# Altium PCB SP7.PcbDoc (part 4 of 4) (continued)
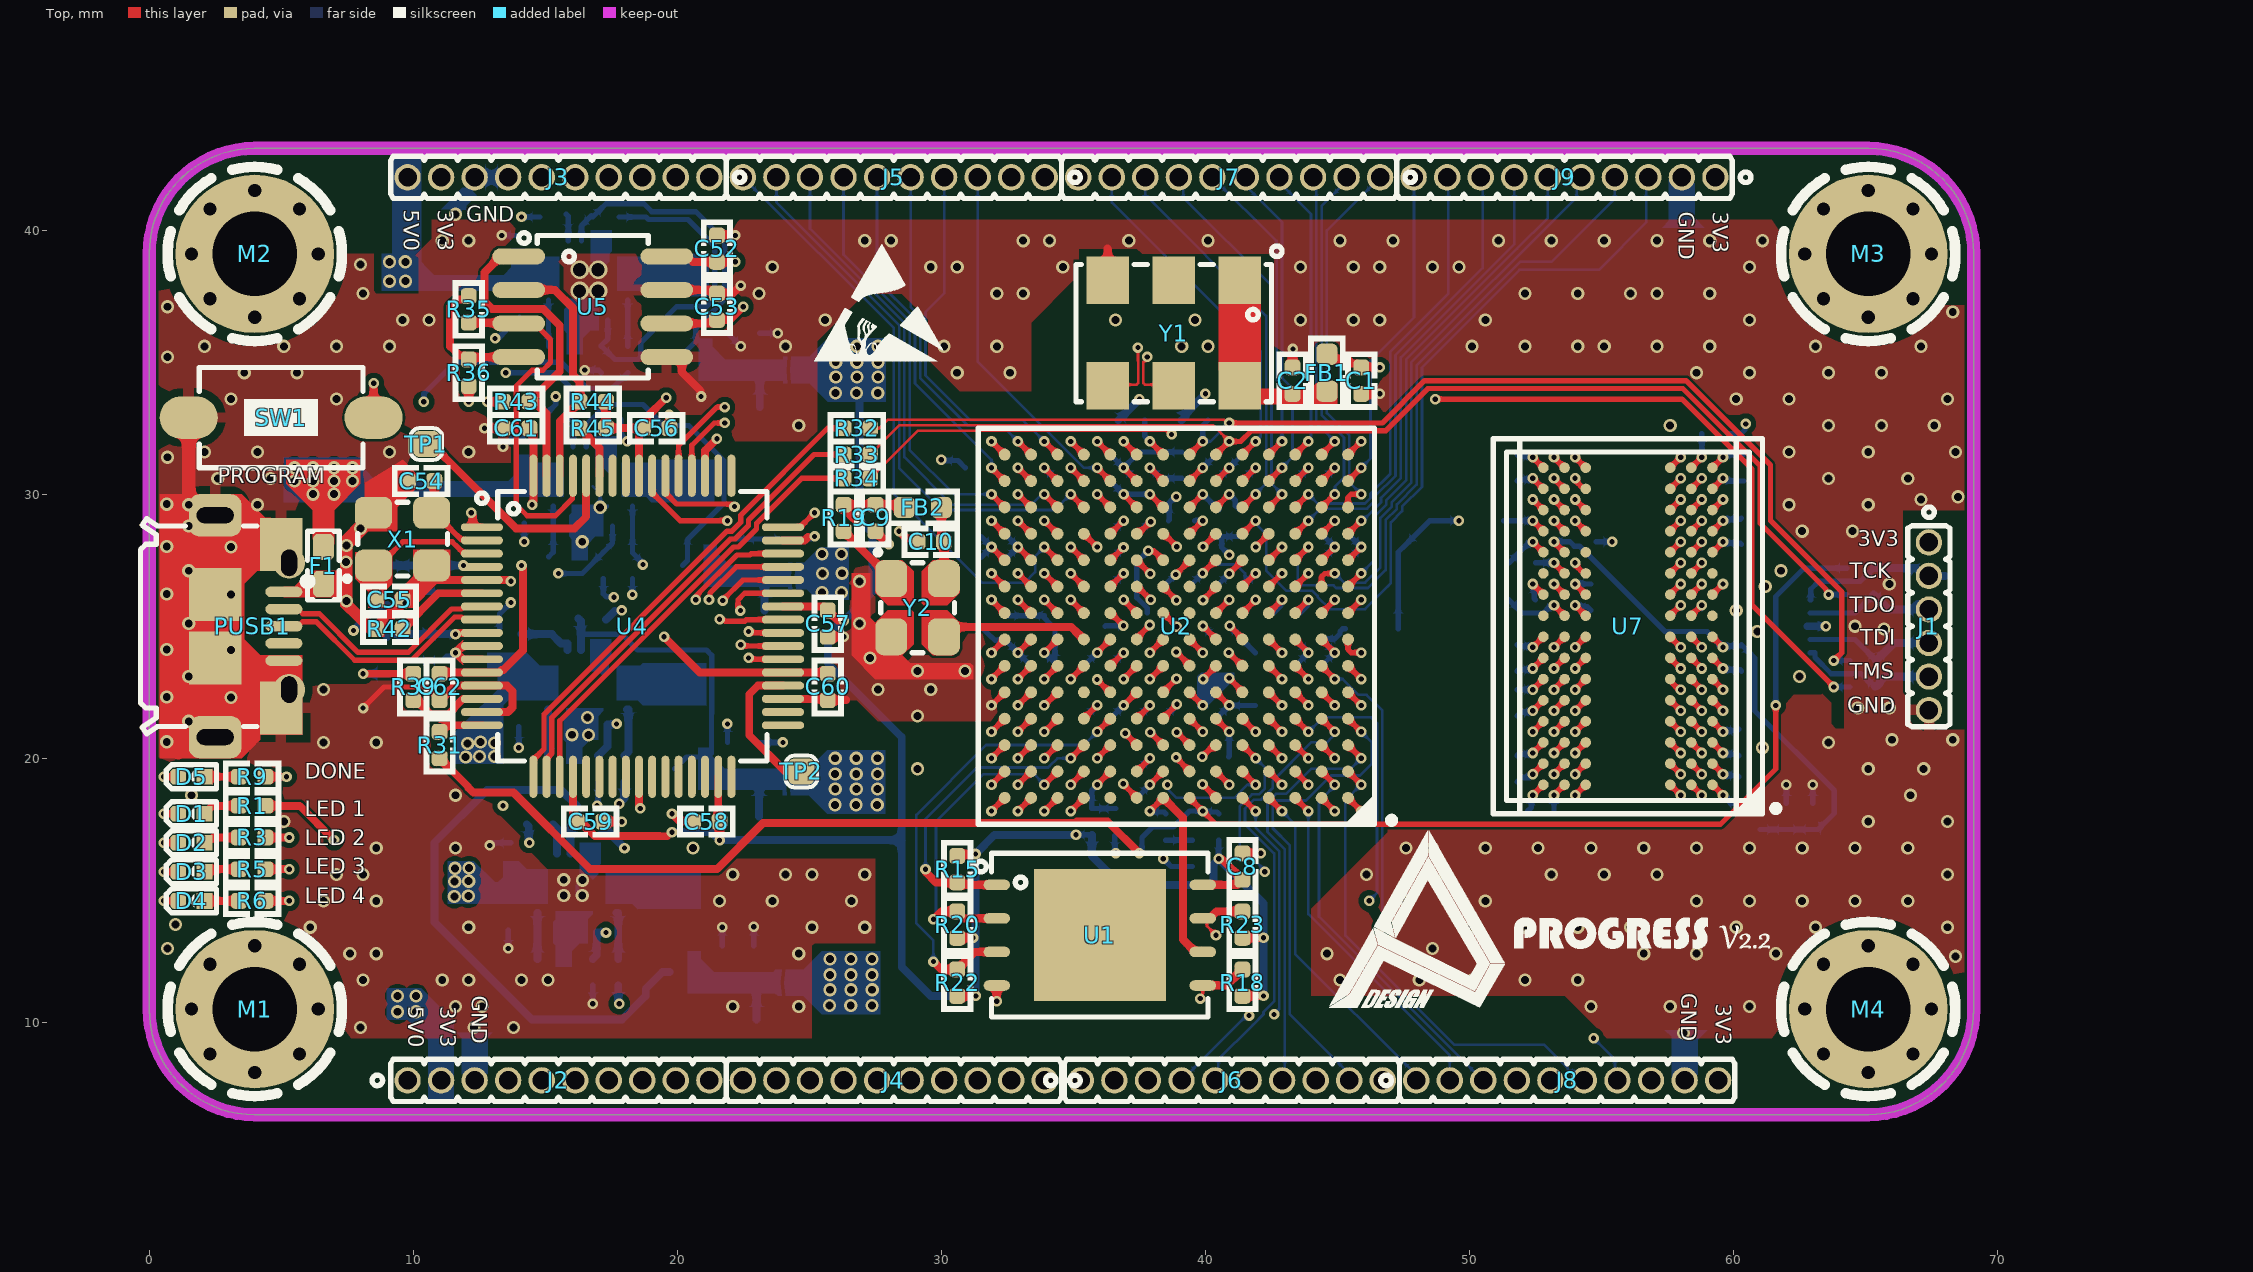
[diagram p0: Top view]
## Polygon pours and split planes (outlines as drawn) (continued)

## Keep-outs
Keep-Out Layer:
  lines w0.5: 0,39 0,10.5 ccw(c4,10.5) 4,6.5 65.1,6.5 ccw(c65.1,10.5) 69.1,10.5 69.1,39 ; 0,39.1 cw(c4,39.1) 4,43.1 65.1,43.1 cw(c65.1,39.1) 69.1,39.1

## Other copper
Top:
  pour cut-out: 67.709,21.08 68.88,21.08 69,21.2 68.9,21.3 68.9,22.9 68.4,22.9 68.2,22.7
  pour cut-out: 68.016,37.151 68.02,37.155 69.275,37.155 69.275,38.025 69.1,38.2 68.1,38.2
  region net GND: 8.15,30.41 8.156,30.405 8.156,29.735 8.825,29.735 8.83,29.73
  region net GND: 8.15,30.41 8.83,29.73 9.9,30.8 10.1,30.8 9.595,31.305
  pour cut-out: 31.82,21.4 26.2,21.4 26.1,21.3 27.1,20.3 27.1,19.7 34.2,19.7 34.4,19.5
  pour cut-out: 25.7,22.2 26.8,22.2 29.8,19.2 29.4,18.8 29.4,18.3 24.7,18.3 22.4,20.6 22.4,20.8
  pour cut-out: 29.5,35.25 29.5,35.1 30.9,33.7 30.7,33.5 28.9,33.5
  pour cut-out: 29.5,33.9 29.5,36.6 28.5,37.6 27.1,37.6 25.3,35.8 25.3,32.3 25,32 22.062,32 21.648,31.585 22.383,30.85 27.15,30.85 29.4,33.1
  pour cut-out: 37.4,39.3 37.6,39.1 42.4,39.1 42.6,38.9 42.5,38.8 42.5,38.6 37.5,38.6 37.3,38.4
  pour cut-out: 22,16.2 27.7,16.2 27.8,16.3 27.8,17.9 23.3,17.9 23.2,18
  pour cut-out: 27.7,19.2 29.8,19.2 31.5,17.5 27.9,17.5
  pour cut-out: 64.2,23.3 64.2,21.12 63.88,21.12 63.7,21.3 63.7,22.1 63.1,22.7
  pour cut-out: 35.1,38.2 33.4,36.5 33.4,33.3 35.8,33.3 35.9,33.2
  pour cut-out: 35.6,33.9 27.654,33.9 27.554,33.8 25.8,33.8 25.7,33.7 25.7,32.5 35.4,32.5 36.4,31.5
  pour cut-out: 19,39.1 15.8,39.1 15.5,38.8 15.707,38.593 15.707,37.393 13.407,37.393 13,37.8 13.306,38.106 13.306,39.226 14.18,40.1 14.1,40.18 14.1,40.7 21.5,40.7 21.6,40.6 21.5,40.5 21.5,38.8
  pour cut-out: 10.7,40.5 10.7,39.673 10.081,39.055 10.2,38.936 10.2,37.6 8.6,37.6 8.5,37.7 8.5,39.1 7.4,39.1 7.031,39.469 7.031,40.85
  pour cut-out: 13.32,17.8 14.061,17.06 14.061,16.573 14.306,16.573 15.08,15.8 16.701,15.8 16.701,16.499 14.65,18.55 13.95,18.55
  pour cut-out: 6.17,22.829 6.199,22.8 8.02,22.8 8.02,23.52 8.1,23.6 7.7,24 7.7,24.2 6.368,24.2 6,23.832 6,23.4
  pour cut-out: 6.068,23.9 6.076,23.909 7.586,23.909 7.586,23.914 6.325,25.175 6.15,25 5.371,25 5.371,24.621 5.1,24.35
  pour cut-out: 21.4,33 20.235,33 19.303,33.931 16.574,33.931 16.574,32.374 16.5,32.3 18.1,30.7 20.3,30.7 20.9,31.3
  pour cut-out: 14.3,31.4 14.1,31.2 11.2,31.2 13.4,29 13.583,29.183 15.383,29.183
  pour cut-out: 12.925,23.25 13.4,22.775 13.4,19.9 15.092,19.9 15.55,20.358 16.108,19.8 22.2,19.8 22.2,20 23.2,21 22.724,21.476 22.724,22.424 19.276,22.424 18.4,23.3 19,23.9 19,29 17.4,29 16.5,29.9 15.3,28.7 13.3,28.7
  pour cut-out: 13.076,20.064 14.502,20.064 14.6,19.965 14.6,18.9 14.1,18.4 13.8,18.7 12.276,18.7 12.276,18.724 11.7,19.3
  pour cut-out: 16.55,29.55 18.3,27.8 18.3,26.2 19.3,25.2 20.5,26.4 20.6,26.4 20.6,27.5 22.1,29 20.4,30.7 17.55,30.7
  pour cut-out: 21.452,31.585 25.095,31.585 25.181,31.5 24.9,31.219 24.9,30 23.681,30 22.7,29.019 21.9,29.819 21.9,30.1
  pour cut-out: 27.9,13 25.2,13 25.1,12.9 25.1,9
  pour cut-out: 43.999,14.101 43.999,14.299 43.9,14.2
  pour cut-out: 46.9,17.5 46.9,17.2 43.9,14.2 44,14.1 44,11 53.6,11 55.3,9.3 54.8,8.8 41.3,8.8 41.3,17.4 40.6,18.1
  pour cut-out: 17.1,22.8 19,22.8 20,21.8 23.2,21.8 23.2,23.1 21.2,25.1 18.81,25.1 18.63,24.92
  pour cut-out: 22.724,20.876 22.724,20.824 21.5,19.6 21.6,19.5 21.6,16.9 22.5,16.9 23.2,17.6 25.7,17.6 26.3,18.2 26.3,19.1 24.8,19.1 23.712,20.188 23.412,20.188
  pour cut-out: 27.3,30 30.475,26.825 30.475,24.975 32.125,24.975 32.2,24.9 32.9,25.6 32.9,32.4 28.064,32.4 27.807,32.657
  pour cut-out: 44.5,32.6 45,32.1 45,17.5 59.5,17.5 61.6,19.6 61.6,22 62,22.4 63.3,22.4 64.2,23.3 64.2,26.2 61.4,29 61.4,31.1 60.976,31.1 58.076,34 48.2,34 46.6,32.4 44.8,32.4
  pour cut-out: 27.5,8.9 27.5,17.5 31.2,17.5 31.4,17.7 32.3,16.8 32.3,9
  pour cut-out: 30.7,17.4 30.7,9.1 42.2,9.1 42.4,8.9 42.4,11.1 41.5,12 41.5,14.1 37,18.6
  pour cut-out: 65.4,40.4 3.9,40.4 4.6,41.1 4.6,46.1 63.6,46.1 65.5,44.2
  pour cut-out: 5.9,9.4 64.2,9.4 65.4,8.2 65.4,3.1 2.8,3.1 1.2,4.7
  pour cut-out: 69.1,29.4 66.405,29.4 66.405,22.5 69.1,22.5
  region net VOSC2: 42,34 44,34 44.2,34.2 45,34.2 45,33.4 42,33.4
  region net VOSC2: 40.5,37.2 40.5,34.7 42.1,34.7 42.1,37.4
  region net GND: 27.5,25.125 27.3,25.325 27.3,27 26.6,27 26.6,23.9 27.5,23 31.2,23 31.2,23.5 31.1,23.6 28.825,23.6 28.525,23.9
  region net GND: 11.9,26.9 11.4,26.9 11.4,27.9 10,27.9 10,26.9 9.3,26.2 9.3,25.945 8.555,25.2 8.4,25.2 7.683,25.917 7.683,27.983 8.3,28.6 9.4,28.6 9.4,29.5 10.1,30.2 10.1,30.8 9.5,30.8 8.5,29.8 8,29.8 8,29.1 7.238,28.338 7.238,27.044 7.238,25.762 7.8,25.2 8.4,24.6 8.9,24.6 8.9,24.894 9.706,25.7 10,25.7 10.9,26.6 12.1,26.6
  region net VCC5V0: 7,28.1 7,29.4 8,30.4 8,31.3 5.2,31.3 5.2,30.4 6.2,29.4 6.2,28.3
  region net GND: 5.8,20.9 4.2,20.9 4.2,20.7 3.5,20 0.4,20 0.4,30 3.5,30 4.4,29.1 4.6,29.1 4.6,27.1 4.1,27.1 3.6,26.6 3.6,24.5 4.2,23.9 5.8,23.9
  region net NetC55_2: 9.2,26.6 8.9,26.3 8.9,25.7 8.3,25.7 8.3,26.3 7.8,26.8 7.8,27.8 9.2,27.8
  region net NetF1_1: 5.1,26.1 7.1,26.1 7.1,27.1 6.1,27.1 5.5,26.5 5.1,26.5
03_SIG:
  pour cut-out: 40.9,19 40.9,21 41.6,21 41.9,20.7 41.9,19.5
  pour cut-out: 35.9,21 34.9,22 34.9,23 33.575,21.675 34.5,20.75 34.5,19.3 35.2,19.3 35.3,19.4
  pour cut-out: 34.9,26 33,24.1 32.6,24.1 32.6,24.4 31.7,25.3
  pour cut-out: 42.2,28.8 40.4,28.8 40.4,29.5 40.6,29.7
  pour cut-out: 42.9,26 42.393,25.493 41.173,25.493 41.173,23.392 41.166,23.385 41.351,23.2 43.595,23.2 43.9,23.505
  pour cut-out: 62.15,22.15 64.05,22.15 64.1,22.1 64.3,22.3 64.3,24.3 63.72,24.3 63.01,25.01 63,25 62.5,25
  pour cut-out: 67.892,21.185 67.907,21.2 69.1,21.2 69.1,22.1 68.9,22.3 68.4,22.3
  pour cut-out: 56.83,17.275 46.425,17.275 46.3,17.4 46.3,18.2 55.609,18.2 55.725,18.316
  pour cut-out: 47.7,17.5 47.3,17.5 45.7,15.9 44.7,16.9 44.7,17.7 44.8,17.8 47.5,17.8
  pour cut-out: 17.073,13.061 17.1,13.034 17.1,10.1 18.3,10.1 18.7,10.5 18.4,10.8 18.4,13.1
  pour cut-out: 13.532,20.492 15.24,22.2 23.3,22.2 24.3,23.2 14.5,23.2 14.5,22.6 12.4,20.5
  pour cut-out: 6.959,38.868 8.3,40.209 8.3,40.3 6.3,40.3 6.2,40.2
  pour cut-out: 2.757,36.1 1.057,37.8 2.2,37.8 2.8,38.4
  pour cut-out: 7,11.573 7,12 5.5,13.5 5.5,14.677 5.477,14.7 5.277,14.5 4.8,14.5 4.8,12.3 5.3,11.8
  pour cut-out: 63.915,13.5 63.7,13.5 62.1,11.9 62.1,11.5 63.2,11.5 63.5,11.2
  pour cut-out: 68.015,17.85 69.05,17.85 69.1,17.9 69,18 69,18.5 68.4,18.5 68.3,18.6
  pour cut-out: 32.7,40.3 32.7,39.1 31.86,39.94 31.86,40.245
  pour cut-out: 36,36 37.565,36 37.672,35.893 37.807,35.893 38.8,34.9 38.9,35 45.1,35 45.1,34.4 45,34.5 35.4,34.5
  pour cut-out: 62,39.4 62,39.8 62.2,39.6 62.5,39.6
  pour cut-out: 63.857,36.1 66.4,36.1 67.391,37.091 67.6,37.3
  pour cut-out: 58.7,33.3 60.8,33.3 61.1,33 61.1,29.02 63.52,26.6 63.52,25.52 62.5,24.5
  pour cut-out: 13.2,32.7 14.6,31.3 15.5,32.2 15.5,33.2 13.6,33.2 12.9,33.9
  pour cut-out: 30.6,33.9 30.3,33.9 28,36.2 25.4,36.2 25.4,35.7 24.3,34.6 24.2,34.7 21.3,34.7 19.1,36.9 13.3,36.9 11,34.6 8.42,34.6 8.42,34.334 10.054,32.7 28.9,32.7
  pour cut-out: 61.1,29.5 61.1,28.1 62.8,26.4 62.8,22.7 62.7,22.7 61.6,21.6 61.4,21.8 60.6,21.8
  pour cut-out: 46.7,13.6 47.1,13.6 48.4,12.3 49.2,12.3 49.8,11.7 49.8,10.3 46,10.3 45.7,10.6 45.7,14.8
  pour cut-out: 45.7,13.3 48.2,10.8 53.516,10.8 54.316,10 54.116,9.8 45.4,9.8 44.2,11 44.3,11.1 44.3,13.2
  pour cut-out: 25.2,20.8 24.2,19.8 20.6,19.8 19.8,17.2 22.1,16.4 25.7,16.4
  pour cut-out: 18,16.6 21.6,13 21.6,11.8 18.9,11.8 17.3,13.4 17.5,13.6 17.5,16.1
  pour cut-out: 5.776,12.797 7,11.573 7,9.4 6.9,9.3 6.4,9.8 5.4,9.8
  pour cut-out: 1.935,36.923 2.757,36.1 5.243,36.1 6.959,37.816 6.959,39.941 6.9,40 6.6,39.7 2,39.7
  pour cut-out: 67.029,36.844 65.923,36.844 65.179,36.1 63.857,36.1 62,37.957 62,39.4 62.823,40.223
  pour cut-out: 67.197,12.645 67.743,12.1 68.9,12.1 68.9,11.1 69,11 67.3,11
  pour cut-out: 63.171,12.756 63.915,13.5 66.343,13.5 67.4,12.443 67.4,11.2 63.85,11.2 63.25,11.8
  pour cut-out: 63,12.4 60.3,9.7 59.4,9.7 58.5,8.8 58.8,8.5 61.7,8.5 61.7,9.4 63.5,11.2
  pour cut-out: 53.5,10.4 53.541,10.441 53.859,10.441 54.3,10 56.8,10 58.1,8.7 53.2,8.7
  pour cut-out: 45.4,13 47.4,11 47.4,9.9 45.2,9.9 45.1,9.8
  pour cut-out: 6.6,38.9 7.9,40.2 6.2,40.2
  pour cut-out: 60.863,40.737 62.3,39.3 62.3,38.9 62.8,38.9 63.6,39.7 63.6,40.6
  pour cut-out: 14.6,33.5 14.5,33.4 14.5,29.6 13.75,28.85 13.75,28.014 14.1,27.664 14.1,24.9 20.3,31.1 22.2,31.1 22.2,32.6 22.9,33.3
  pour cut-out: 24.5,23.4 24.2,23.4 23.3,22.5 14.2,22.5 14.2,22.7 15.7,24.2
  pour cut-out: 23.2,12.8 22.827,13.173 17.639,13.173 17.639,9.961 18.1,9.5 21.4,9.5
  pour cut-out: 31.15,21.03 30.92,20.8 25.2,20.8 25.2,16.4 26,15.6
  pour cut-out: 7.6,16.9 8,17.3 10,17.3 10,17.6 15.8,23.4 24.5,23.4 26.5,25.4 27.5,25.4 27.5,25 28.1,24.4 32.3,24.4 33.9,26 33.9,27.5 30.2,31.2 29.9,30.9 20.6,30.9 8.1,18.4
  pour cut-out: 8.5,34.2 8.5,33.5 9.1,32.9 9.2,33 21.8,33 21.8,33.95 21.75,34
  pour cut-out: 21.8,33.8 21.8,30.7 22.2,31.1 29.8,31.1 29.8,33.3 29.837,33.337 24.963,33.337 24.1,34.2 21.7,34.2
  pour cut-out: 5.2,19.3 4.7,19.3 2,16.6 2,14.7 1.3,14 0.1,14 0.1,8 3.2,4.9 10,4.9 10,6.3 11.7,8 11.6,8.1 11.6,9 7.7,9 5.1,11.6 5.3,11.8 5.3,14.6
  pour cut-out: 60.4,29.05 60.4,31.6 57,35 45.1,35 42.767,32.667
  pour cut-out: 46.4,32.8 46.4,33.1 44.8,34.7 35.4,34.7 35.4,34.3 39.329,30.371 48.071,30.371
  pour cut-out: 33.7,37.9 33.7,34.7 32.8,33.8 32.9,33.7 38,33.7
  pour cut-out: 21,40 4.1,40 1.8,37.7 -0.6,37.7 -0.6,44.3 -0.7,44.4 -0.3,44.8 19.5,44.8
  pour cut-out: 70.2,38.1 70,38.1 69.2,37.3 65,37.3 63.1,39.2 63.158,39.258 63.158,40.245 31.86,40.245 30.105,42 31.405,43.3 72.2,43.3
  pour cut-out: 69.568,29.4 66.2,29.4 66.2,22.3 69.069,22.3
  pour cut-out: 57.3,32.1 57.6,31.8 61.1,31.8 61.1,27.8 62.1,26.8 61.6,26.3 61.6,19 59.875,17.275 56.175,17.275
  pour cut-out: 69.6,11.7 62.9,11.7 60.3,9.1 54.6,9.1 54.6,7.3 57.8,4.1 68.6,4.1 71.2,6.7
  pour cut-out: 30.8,20.4 30.8,20.2 20.1,9.5 20.5,9.1 20.5,7.7 33.7,7.7 34.1,8.1 33.4,8.8 33.4,18.7
  pour cut-out: 43.4,24.1 42.9,23.6 42.9,20 41.6,20 41.247,20.353 41.247,22.931 41.9,23.584 41.9,23.9
  pour cut-out: 35.9,19 36.25,18.65 45.7,18.65 45.7,7.4 45,8.1 33.4,8.1 33.4,16.1 33.8,16.5
05_SIG:
  pour cut-out: 45.755,15.655 47.5,17.4 44.524,17.4
  pour cut-out: 67.892,21.185 67.907,21.2 69,21.2 69,22.7 68.9,22.8 68.65,22.55 68.15,22.55
  pour cut-out: 68.175,22.025 68.775,22.025 68.8,22 68.8,22.5 68.2,22.5 68.1,22.6
  pour cut-out: 69.306,29.4 66.1,29.4 66.1,22.5 69.737,22.5
  pour cut-out: 17.51,18 17.717,17.793 17.717,16.883 17.083,16.883 17,16.8 16.2,17.6 16.2,18.2 16.4,18.4
  pour cut-out: 36.6,40.3 36.6,39 35.7,39.9 35.1,39.9 35.1,40.4 35.3,40.6
  pour cut-out: 5.2,19.3 5.3,19.2 5.3,14.6 5.697,14.203 5.697,12.197 3.003,12.197 1.6,13.6 1.9,13.9 1.9,18.4 2.7,19.2
  pour cut-out: 59.181,31.655 59.181,32.719 57,34.9 41.4,34.9 45.7,30.6 57.5,30.6 58.4,29.7
  pour cut-out: 11,35 11,36.8 13.5,39.3 14.6,38.2 14.6,34.6
  pour cut-out: 8.957,40.657 6.88,38.58 6.88,37.737 5.243,36.1 2.757,36.1 1.257,37.6 0.2,37.6 0.2,38.1 0,38.3
  pour cut-out: 13.5,35.2 9.5,35.2 7.9,33.6 7.9,32.3 7.4,31.8 4.9,31.8 5.05,31.65 5.05,30.41 5.153,30.41 5.945,29.619 6.027,29.7 8.5,29.7 8.7,29.5 8.5,29.3 8.5,26.2 9.9,26.2 10.2,26.5
  pour cut-out: 69,37.6 67.843,37.6 66.343,36.1 63.857,36.1 62.22,37.737 62.22,38.732 62,38.951 62,40.5
  pour cut-out: 67.807,12.048 67.855,12 69.1,12 69.1,11 67.4,11
  pour cut-out: 68.1,11.4 68.1,11.743 66.343,13.5 63.857,13.5 62.22,11.863 62.22,10.82 61.2,9.8
  pour cut-out: 27.6,16.5 27.6,11.9 28.5,11.9 28.5,16.2
  pour cut-out: 14.865,8.9 16.265,10.3 19.8,10.3 20,10.1
  pour cut-out: 11.8,14.9 11.8,13.2 10.4,11.8 9.8,11.8 9.8,18.5 10.2,18.9 15.7,18.9 18,16.6 17.3,15.9 12.654,15.9 12.1,15.346
  pour cut-out: 38.2,35.2 42.2,35.2 43.4,34 45.6,34 46.7,32.9 46.7,32.2 40.1,32.2 39.2,31.3 37.446,33.054 37.446,34.149
  pour cut-out: 58,31.4 55.6,33.8 55.6,34.1 48.88,34.1 48.78,34 48.8,33.98 48.8,30.5 57.6,30.5 58.4,29.7
  pour cut-out: 19.8,18.5 19.8,17.2 20.1,16.9 21.6,16.9 22.3,16.2 28.8,16.2 28.8,18.7
  pour cut-out: 14.5,18.5 15,18 41.9,18 44.9,21 43.578,22.322 43.578,29.702 34.798,29.702 34.2,30.3 32.8,28.9 14.3,28.9 14.3,32.804 13.6,33.504 13.596,33.5 12.1,33.5 10.2,31.6 10.2,27.3 7.738,24.838 7.919,24.657 7.919,23.381 8.019,23.381 10.2,21.2 10.2,18.2
  pour cut-out: 3.7,38 -1,38 -1,41 -1.4,41.4
  pour cut-out: 17.7,21.3 22.121,21.3 25.822,25.001 23.518,27.305 19.631,27.305 17.8,25.474
  pour cut-out: 55.4,10 66.4,10 66.9,10.5 66.7,10.7 66.7,11.5 70.5,11.5 70.5,6.9 64.8,6.9 63.1,5.2 62.7,5.6 58.9,5.6
  pour cut-out: 15.9,9.1 6.9,9.1 6.9,7.1 7.1,6.9 17.4,6.9
  pour cut-out: 9.7,8.4 7.9,8.4 6.9,9.4 6.9,7.1 9.8,7.1 10.1,6.8
  pour cut-out: -0.4,14 4.2,14 7.5,10.7 7.5,8 9.2,8 9.4,7.8 9.4,5.4 0.6,5.4 -1,7 -2.2,7
  pour cut-out: 6.4,39.1 7.7,40.4 10.7,40.4 10.7,42.5 10.5,42.3 5.6,42.3 5.5,42.2
  pour cut-out: 13.3,40.7 13.3,27.4 13.516,27.184 18.316,27.184 22.1,23.4 22.2,23.5 24.2,23.5 24.2,23.595 26.605,26 32.9,26 32.9,28.6 36.7,32.4 33.915,35.185 33.915,42
  pour cut-out: 35.3,40.6 38.6,37.3 38.6,33.8 38.7,33.7 38.3,33.3 36.5,33.3 36.5,33.5 32.5,37.5 32.5,40.7
  pour cut-out: 32.9,23 32.9,19.5 33,19.4 30.9,17.3 28.7,17.3 28.3,17.7 28.4,17.8 28.4,19.5 31.9,23
  pour cut-out: 38.2,18.6 30.3,18.6 28.5,16.8 28.5,8.4 39.7,8.4 39.999,8.101 39.999,18.35
  pour cut-out: 45.8,15.007 45.8,17.65 40.699,17.65 40.9,17.449 40.9,11.4 43.9,8.4 52.3,8.4
  pour cut-out: 49.631,26.925 49.631,23.649 48.013,22.03 47.868,22.174 42.126,22.174 40.92,23.38 40.92,27.12 41.3,27.5
  pour cut-out: 58.2,25.9 58.2,25 59.2,24 58.5,23.3 58.5,18.4 57.55,17.45 53.7,17.45 52.4,18.75 52.4,21.4
  pour cut-out: 70.2,38.2 69.9,38.5 64.3,38.5 64.3,38.6 62.5,40.4 62.4,40.3 3.4,40.3 2,38.9 -0.1,38.9 -0.1,42.7 -1.2,43.8 -0.1,44.9 77.7,44.9
  region net VCC3V3: 10.4,10.1 10.4,14.5 10.4,22 9.3,22 9.1,21.8 9.1,14.4 9.1,10.1
  region net VCC3V3: 10.4,22 8.3,24.2 8.3,24.9 10.7,27.3 10.7,31.3 12.6,33.2 13.4,33.2 13.4,34 11.8,34 9.8,32 9.8,27.5 7.2,24.9 7.2,23.5 9.1,21.5
Bottom:
  pour cut-out: 62.7,9.6 5.6,9.6 4.8,8.8 4.8,5.8 4.7,5.7 69,5.7
  pour cut-out: 31.5,38.9 31.5,39 33.1,40.6 33,40.7 30.6,40.7
  pour cut-out: 32.3,34.3 33.827,34.3 33.827,33.427 33.7,33.3 33.5,33.5 32.3,33.5
  pour cut-out: 65.5,22.295 66.695,22.295 66.7,22.3 66.3,22.7 66.3,23.2 65.831,23.2 65.726,23.095
  pour cut-out: 68.004,21.126 68.03,21.1 68.9,21.1 68.9,21.7 68.3,21.7
  pour cut-out: 42.7,34.8 38.48,34.8 37.526,35.754 35.154,35.754 32.5,33.1 34.2,31.4 34.2,31.2 42.4,31.2 42.6,31
  pour cut-out: 56.9,35.1 57.554,35.1 59.95,32.705 59.6,32.355 59.6,32
  pour cut-out: 27.755,12.777 27.755,15.945 27.2,16.5 21.68,16.5 21.68,16.88 22,17.2 22.2,17 29.6,17 29.6,13.2 28.5,12.1 27.8,12.1
  pour cut-out: 26.9,25.5 30.2,25.5 30.9,26.2 30.7,26.4 27.1,26.4
  pour cut-out: 29.2,18.9 31.9,21.6 32.7,20.8 32.7,18.9 31.3,17.5 28.6,17.5 28.6,18.6 28.3,18.9
  pour cut-out: 13.825,36.025 12.8,35 14.7,35 14.8,35.1 14.8,36
  pour cut-out: 8.692,37.7 9.292,37.1 13.322,37.1 13.621,37.4 13.621,37.9
  pour cut-out: 37.799,35.2 40.5,35.2 40.5,36.9 42.8,34.6 43.6,34.6 42.7,33.7 42.6,33.8 38.1,33.8
  pour cut-out: 49.2,36.1 49.8,36.2 49.9,35.1 56.9,35.1 57.7,34.3 57.7,34 48.883,34 48,34.883
  pour cut-out: 67.8,37.3 69.9,37.3 69.9,38.5 67.7,38.5
  pour cut-out: 5.551,13.646 5.9,13.994 5.9,19.8 4.4,19.8 1.5,16.9 1.5,12.7
  pour cut-out: 14.1,18 14.1,16.2 13.2,15.3 13.2,14.9 12.3,14.9 11,16.2 11,17.1 12.4,18.5
  pour cut-out: 12.8,23.7 11.523,22.423 11.523,19.723 11.568,19.723 11.675,19.617 13.37,19.617 13.6,19.847 13.6,20.288
  pour cut-out: 13.594,29.392 13.394,29.592 5.1,29.592
  pour cut-out: 14.2,31.2 8.1,31.2 8.1,31.4 7.7,31 7.7,30 14.1,30 14.2,30.1
  pour cut-out: 18.7,33.4 21,31.1 21,26.1 31.809,26.1 32.35,26.641 29,29.991 29,34.2 22.721,34.2 21.568,35.353
  pour cut-out: 5.3,17 5.2,16.9 5.2,13.1 2.4,13.1 2.7,13.4 2.7,17.6 5.2,19.3
  pour cut-out: 20.3,39.4 20.3,37.9 23.6,34.6 23.8,34.8 27.4,34.8 27.4,37.9 27.9,38.4 23.8,42.5 20.1,42.5 19.3,41.7
  pour cut-out: 37.3,40.4 31.1,40.4 31,40.3 31,41.4 36.8,41.4
  pour cut-out: 21.981,40.927 22.073,40.927 27.2,35.8 27.3,35.9 29,35.9 29,37.2 24.7,41.5 22.9,41.5
  pour cut-out: 54.63,9.8 54.5,9.8 53.3,11 47.403,11 47.403,9.597 48.2,8.8 55.3,8.8
  pour cut-out: 60.2,20.1 60.3,20 62.5,20 62.5,20.1 61.2,21.4 61.1,21.3 60.5,21.3
  pour cut-out: 61.5,22.3 63.266,22.3 65.5,22.3 65.5,22.7 63.9,24.3 61.838,24.3 61.6,24.062
  pour cut-out: 61.9,25.7 60.9,25.7 60.1,24.9 59.9,25.1 58.9,25.1 58.9,24.2 59.8,23.3 61.5,23.3
  pour cut-out: 31.9,23 31.9,21 32.9,21 33.1,21.2 33.1,22.5
  pour cut-out: 35.3,22.95 35.2,22.85 35.2,20 34.5,20 33.6,20.9 33.6,22.7 33.9,23
  pour cut-out: 37.9,30 37.928,29.972 37.928,26.001 37.001,26.001 36.3,25.3 35.8,25.8 34.7,25.8 34.7,26.85 33.725,27.825 34.2,28.3 34.2,30.1 34.5,30.4
  pour cut-out: 10.32,33.1 12.901,33.1 13.601,32.4 13.801,32.6 14.5,32.6 14.5,33.5 14.7,33.7 14.6,33.8 10.9,33.8
  pour cut-out: 10.404,33.504 15.289,33.504 15.396,33.396 15.65,33.65 15.65,34.35 15.35,34.35 14.7,35 11.6,35 10.404,33.804
  pour cut-out: 20,18.9 20.111,18.789 20.111,17.389 20.6,16.9 23,16.9 23.1,17 23.1,18.7
  pour cut-out: 18.65,23.55 20.8,21.4 20.8,19.8 23.3,19.8 24,19.1 24.5,19.6 28,19.6 28,20.7 28.3,21 25.7,23.6 25.7,24.7 26.4,25.4 26.4,26.3 25.6,27.1 19.3,27.1 19.2,27.2 18.2,26.2 17.9,26.2 17.9,25.3 17.5,24.9
  pour cut-out: 46,17.1 62.8,17.1 63,17.3 62,18.3 59.9,18.3 58.4,19.8 58.4,25.4 56,27.8 56,29.2 46.4,29.2 45.9,28.7
  pour cut-out: 59.6,32.4 57.5,34.5 46.7,34.5 47.8,33.4 47.8,29.5 52.5,29.5 57.3,24.7 57.9,24.7
  pour cut-out: 4,39.1 9.7,39.1 9.8,39.2 9.8,43.3 4.8,43.3
  pour cut-out: 27.4,12.6 29.1,12.6 30.8,14.3 30.8,18.1 35.7,18.1 37.4,16.4 42.1,16.4 42.1,12.6 44.4,10.3 41.6,7.5 27.7,7.5 26.8,8.4
  region net GND: 58.538,41.781 58.538,40.462 58.9,40.1 57.3,40.1 57.554,40.354 57.554,41.925
  pour cut-out: 56.841,40.241 57,40.4 59.6,40.4 59.6,41.1 59.3,41.4 57.05,41.4 56.7,41.05
  region net GND: 11.84,8.035 11.84,9.404 11.645,9.6 13,9.6 12.822,9.422 12.822,8.059
  region net GND: 58.638,8.019 58.638,9.338 59,9.7 57.4,9.7 57.654,9.446 57.654,7.875
  pour cut-out: 33.1,18.9 32.8,18.6 32.8,17.1 32.017,17.1 31.293,16.376 31.293,11.007 29.593,11.007 28.8,11.8 29.4,12.4 29.4,17.7 29.8,17.7 31.3,19.2
  pour cut-out: 27.787,10.805 27.787,9.213 27.8,9.2 27.7,9.1 22.6,9.1 22.6,11.2
  pour cut-out: 22.9,11.5 22.9,9.4 22.3,8.8 18.1,8.8 17.4,9.5 17.766,9.866 17.766,11.081
  pour cut-out: 46.7,18.8 46.7,11.5 48.5,9.7 48.4,9.6 48.4,8.7 45,8.7 44.4,9.3 43.2,9.3 43.2,11.1 42.6,11.7 44.28,13.38 44.28,18.875
  pour cut-out: 26.812,38.27 26.93,38.27 29,36.2 29,33.2 30.3,33.2 31.4,32.1 31.9,32.6 33.3,32.6 33.3,33.1 31.375,35.025 31.4,35.05 31.4,41.4 27.3,41.4 27.1,41.6
  pour cut-out: 36.8,40.8 42.1,35.5 42.1,35.8 42.8,36.5 38.3,41 38.3,41.4
  pour cut-out: 49.8,41.3 49.8,37.4 47.2,34.8 47.4,34.6 47.4,31 45,31 42.6,33.4 42.6,41.2 42.4,41.4
  pour cut-out: 56.7,41.05 56.7,40.3 54.897,38.497 54.894,38.5 52.7,38.5 52.7,40.2 53.6,41.1 53.6,41.6
  pour cut-out: 59.315,42 58.602,41.287 58.602,41.087 59.289,40.4 65.4,40.4 65.4,43.8 65.9,44.3 65.8,44.4 61.2,44.4
  region net GND: 12,40.76 12,40.92 12.399,41.318 12.117,41.6 11.864,41.6 11.055,40.791
  pour cut-out: 67.2,18.45 67.2,11.5 69.5,9.2 70.7,10.4 72.3,10.4 72.3,17 70.8,18.5
  pour cut-out: 69.711,29.4 65.9,29.4 65.9,27.6 63.8,27.6 63.6,27.4 63.6,26.2 65.7,26.2 66.6,25.3 67.9,26.6 70.2,26.6
  region net VCC5V0: 10.3,38.5 9.3,38.5 9.2,38.6 9.2,42.7 10.3,42.7
  region net VCC3V3: 11.537,7.107 11.537,10.063 10.3,11.3 9,11.3 9,10.1 9.8,10.1 10.568,9.332 10.568,7.099
  region net VCC5V0: 5.1,29.7 8.4,29.7 8.6,29.9 13.6,29.9 13.6,30.5 8.6,30.5 8.1,31 8.1,31.4 5.1,31.4
  region net GND: 17.021,37.1 17.221,37.3 17.221,37.4 15.821,37.4 15.821,37.1 15.721,37 15.721,36.2 15.821,36.1 15.821,35.3 16.421,35.3 16.421,35.9 16.721,36.2 17.021,36.2
  region net GND: 17.521,39.585 17.521,39.2 17.421,39.1 17.421,38.8 17.221,38.6 17.021,38.8 16.721,38.8 16.721,40 17.521,40
  region net PSW33: 18.641,37.7 18.845,37.496 21.2,37.496 21.2,39.099 18.821,39.1 18.721,39 17.721,39 17.721,37.7
  region net V3V3: 20.821,35.9 21.315,35.891 21.315,35.607 21.821,35.1 24.05,35.1 24.121,35.172 24.121,34.3 20.821,34.3
  region net V1V8: 21,28.1 21.493,28.091 21.493,27.807 22,27.3 24.228,27.3 24.3,27.372 24.3,26.5 21,26.5
  region net V1V0: 20.8,20.4 21.293,20.391 21.293,20.107 21.8,19.6 24.028,19.6 24.075,19.6 24.1,18.8 20.8,18.8
  region net V1V5: 20.4,12.7 20.409,12.691 20.893,12.691 20.893,12.407 21.4,11.9 23.628,11.9 23.732,12.003 23.735,12 23.8,12 23.8,11 23.7,11.1 20.4,11.1
  region net VCC1V8: 24.55,27.4 24.8,27.4 25.4,28 26.5,28 26.5,26 25.3,26 24.9,26.4 24.6,26.4
  region net VCC1V5: 24.2,12 24.778,12 25.479,12.7 27.679,12.7 27.679,10.3 25.479,10.3 24.779,11 24.2,11
  region net VCC1V0: 24.4,19.6 24.978,19.6 25.679,20.3 27.879,20.3 27.879,17.9 25.679,17.9 24.979,18.6 24.4,18.6
  region net VCC3V3: 24.421,35.2 25,35.2 25.7,35.9 27.9,35.9 27.9,33.5 25.7,33.5 25,34.2 24.421,34.2
  region net VCC5V0: 12.8,23.4 13.2,23.4 13.2,22.6 13.8,23.2 13.8,24 12.8,24
  region net VCC5V0: 13.6,15.3 13.1,15.3 12.3,16.1 11.3,16.1 11.3,14.5 13.6,14.5
  region net VCC5V0: 13.421,38.3 10.8,38.3 10,39.1 8.8,39.1 8.8,37.7 13.421,37.7
  region net VCC5V0: 15.521,37.7 15.521,39 14.521,39 14.221,39.3 13.721,39.3 13.721,38.6 13.421,38.3 13.421,37.7
  region net VCC5V0: 13.6,22.2 13.4,22 13.4,19.8 11.6,19.8 11.6,21 13.6,23
  region net VCC5V0: 15.7,29.9 15.7,31.2 14.7,31.2 14.4,31.5 13.9,31.5 13.9,30.8 13.6,30.5 13.6,29.9
  region net VCC5V0: 15.5,22.2 15.5,23.5 14.8,23.5 14.3,24 13.8,24 13.8,23.2 13.6,23 13.6,22.2
  region net VCC5V0: 15.1,14.5 15.1,15.8 14.3,15.8 14,16.1 13.4,16.1 13.4,15.5 13.2,15.3 13.2,14.5
  region net GND: 16.6,13.9 16.8,14.1 16.8,14.2 15.4,14.2 15.4,13.9 15.3,13.8 15.3,13 15.4,12.9 15.4,12.1 16,12.1 16,12.7 16.3,13 16.6,13
  region net GND: 17,21.6 17.2,21.8 17.2,21.9 15.8,21.9 15.8,21.6 15.7,21.5 15.7,20.7 15.8,20.6 15.8,19.8 16.4,19.8 16.4,20.4 16.7,20.7 17,20.7
  region net GND: 17.2,29.3 17.4,29.5 17.4,29.6 16,29.6 16,29.3 15.9,29.2 15.9,28.4 16,28.3 16,27.5 16.6,27.5 16.6,28.1 16.9,28.4 17.2,28.4
  region net GND: 17.1,16.385 17.1,16 17,15.9 17,15.6 16.8,15.4 16.6,15.6 16.3,15.6 16.3,16.8 17.1,16.8
  region net GND: 17.5,24.085 17.5,23.7 17.4,23.6 17.4,23.3 17.2,23.1 17,23.3 16.7,23.3 16.7,24.5 17.5,24.5
  region net GND: 17.7,31.785 17.7,31.4 17.6,31.3 17.6,31 17.4,30.8 17.2,31 16.9,31 16.9,32.2 17.7,32.2
  region net PSW18: 18.819,29.9 19.023,29.696 21.401,29.696 21.401,31.299 21.4,31.3 19,31.3 18.9,31.2 17.9,31.2 17.9,29.9
  region net PSW15: 18.286,14.5 18.496,14.29 18.514,14.308 20.898,14.308 20.898,15.898 20.9,15.9 18.6,15.9 18.5,15.8 17.3,15.8 17.3,14.5
  region net PSW10: 18.6,23.5 18.7,23.6 21.1,23.6 21.1,21.999 21.098,21.996 21.088,22.006 18.694,22.006 18.5,22.2 17.7,22.2 17.7,23.5
  region net VCC1V0: 40.1,21.9 40.1,22 41.1,23 41.1,23.2 41.096,23.204 41.096,23.236 39.836,23.236 39.7,23.1 39.7,21.9
04_PWR (plane layer: these items are gaps in the copper):
  lines w0.3: 7.9,43.1 10.2,43.1 10.2,34.6 16,28.8 19,28.8 ; 18.9,15.2 46,15.2 50.4,19.6 50.4,31.3 52.8,33.7 59.6,33.7 ; 19,6.5 19,28.8 ; 19,20.5 31.1,20.5 34.4,20.5 37.3,23.4 37.3,27.9 37.8,28.4 39.6,28.4 40.6,27.4 42.2,27.4 42.5,27.1 42.5,15.2 ; 38.5,28.4 38.5,29.9 36.2,29.9 33.4,27.1 33.4,23.9 33.1,23.6 31.7,23.6 26.5,28.8 19,28.8 ; 56,6.6 56,8.4 61.4,13.8 61.4,32.7 60.4,33.7 58.3,33.7

## Silkscreen, mask and mechanical layers (free items; w line width, h text height)
Top Overlay:
  drawing of 26 lines, arcs and shapes, not listed
  text "5V0" at 9.44,40.765 h1 r270
  text "3V3" at 10.729,40.765 h1 r270
  text "GND" at 57.712,40.7 h1 r270
  text "3V3" at 59.012,40.7 h1 r270
  text "GND" at 12,40.112 h1
  text "PROGRAM" at 2.6,30.212 h1
  text "3V3" at 64.7,27.812 h1
  text "TCK" at 64.4,26.611 h1
  text "TDO" at 64.4,25.312 h1
  text "TDI" at 64.8,24.1 h1
  text "TMS" at 64.4,22.812 h1
  text "GND" at 64.3,21.512 h1
  text "DONE" at 5.9,19.012 h1
  text "LED 1" at 5.9,17.6 h1
  text "LED 2" at 5.9,16.5 h1
  text "LED 3" at 5.9,15.412 h1
  text "LED 4" at 5.9,14.3 h1
  text "GND" at 57.812,11.1 h1 r270
  text "GND" at 12.012,11 h1 r270
  text "3V3" at 59.112,10.7 h1 r270
  text "5V0" at 9.612,10.6 h1 r270
  text "3V3" at 10.812,10.6 h1 r270
Bottom Overlay:
  drawing of 7 lines, arcs and shapes, not listed

## Text inside footprints (layer, text, board x,y; h text height)
PUSB1: Mechanical 1 "PCB EDGE" at 0.7,22.3 h0.8 r90